# Altium PCB PCB2.PcbDoc
Units mil, origin at the board's own origin, x right, y up, seen from the top; angles counter-clockwise.
Board outline 4000 x 4000 mil, 2 copper layers (Top Layer, Bottom Layer), stack 21 mil thick; 51 components, 120 nets, 372 pads, 5 vias.
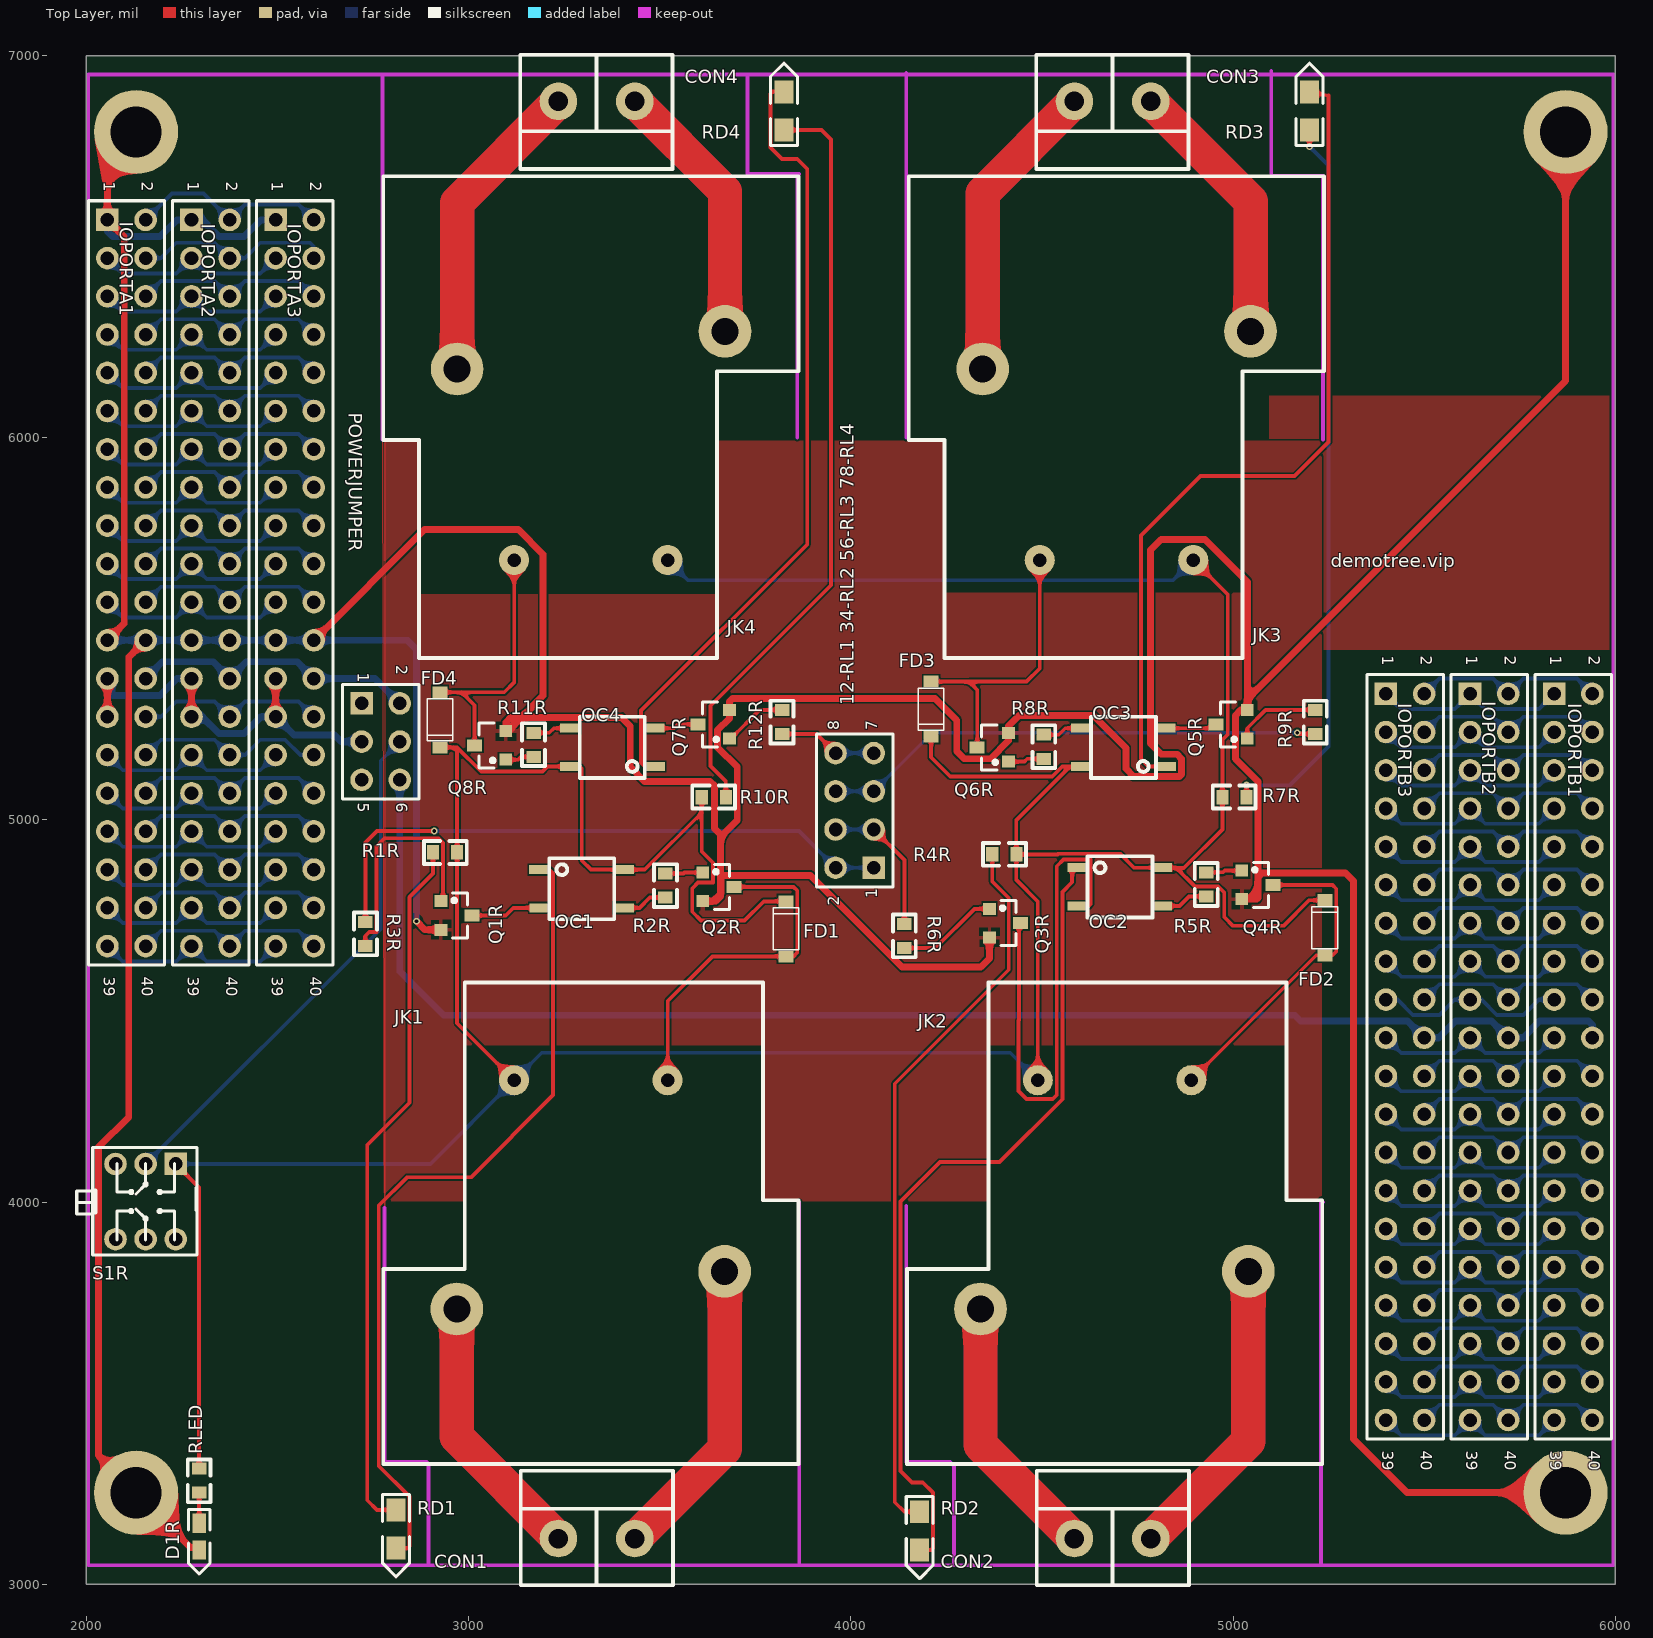
[diagram p0: Top Layer view]
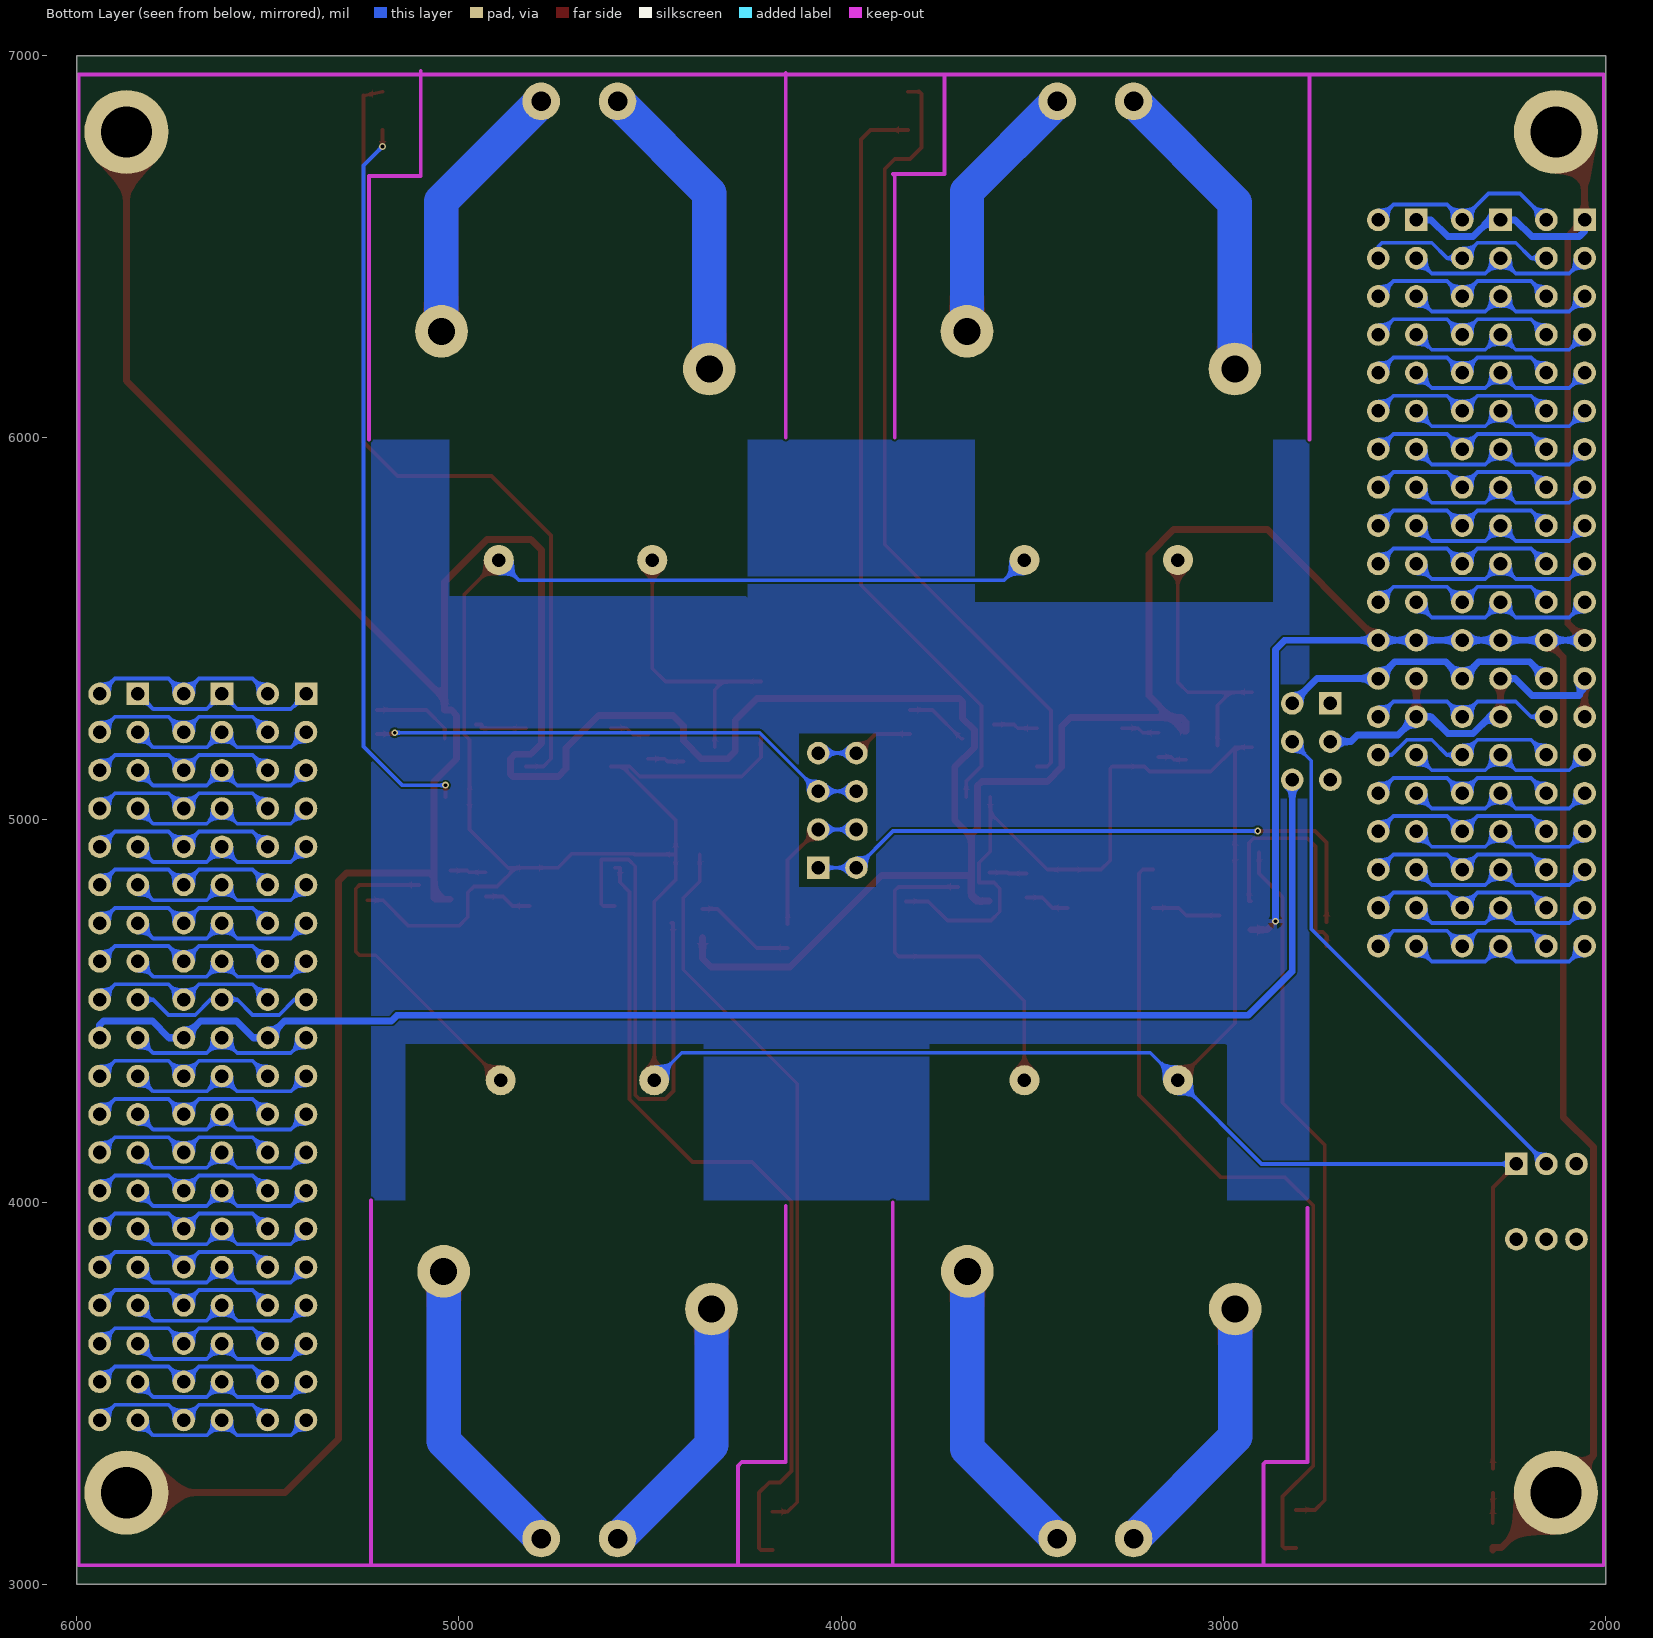
[diagram p1: Bottom Layer view, seen from below]
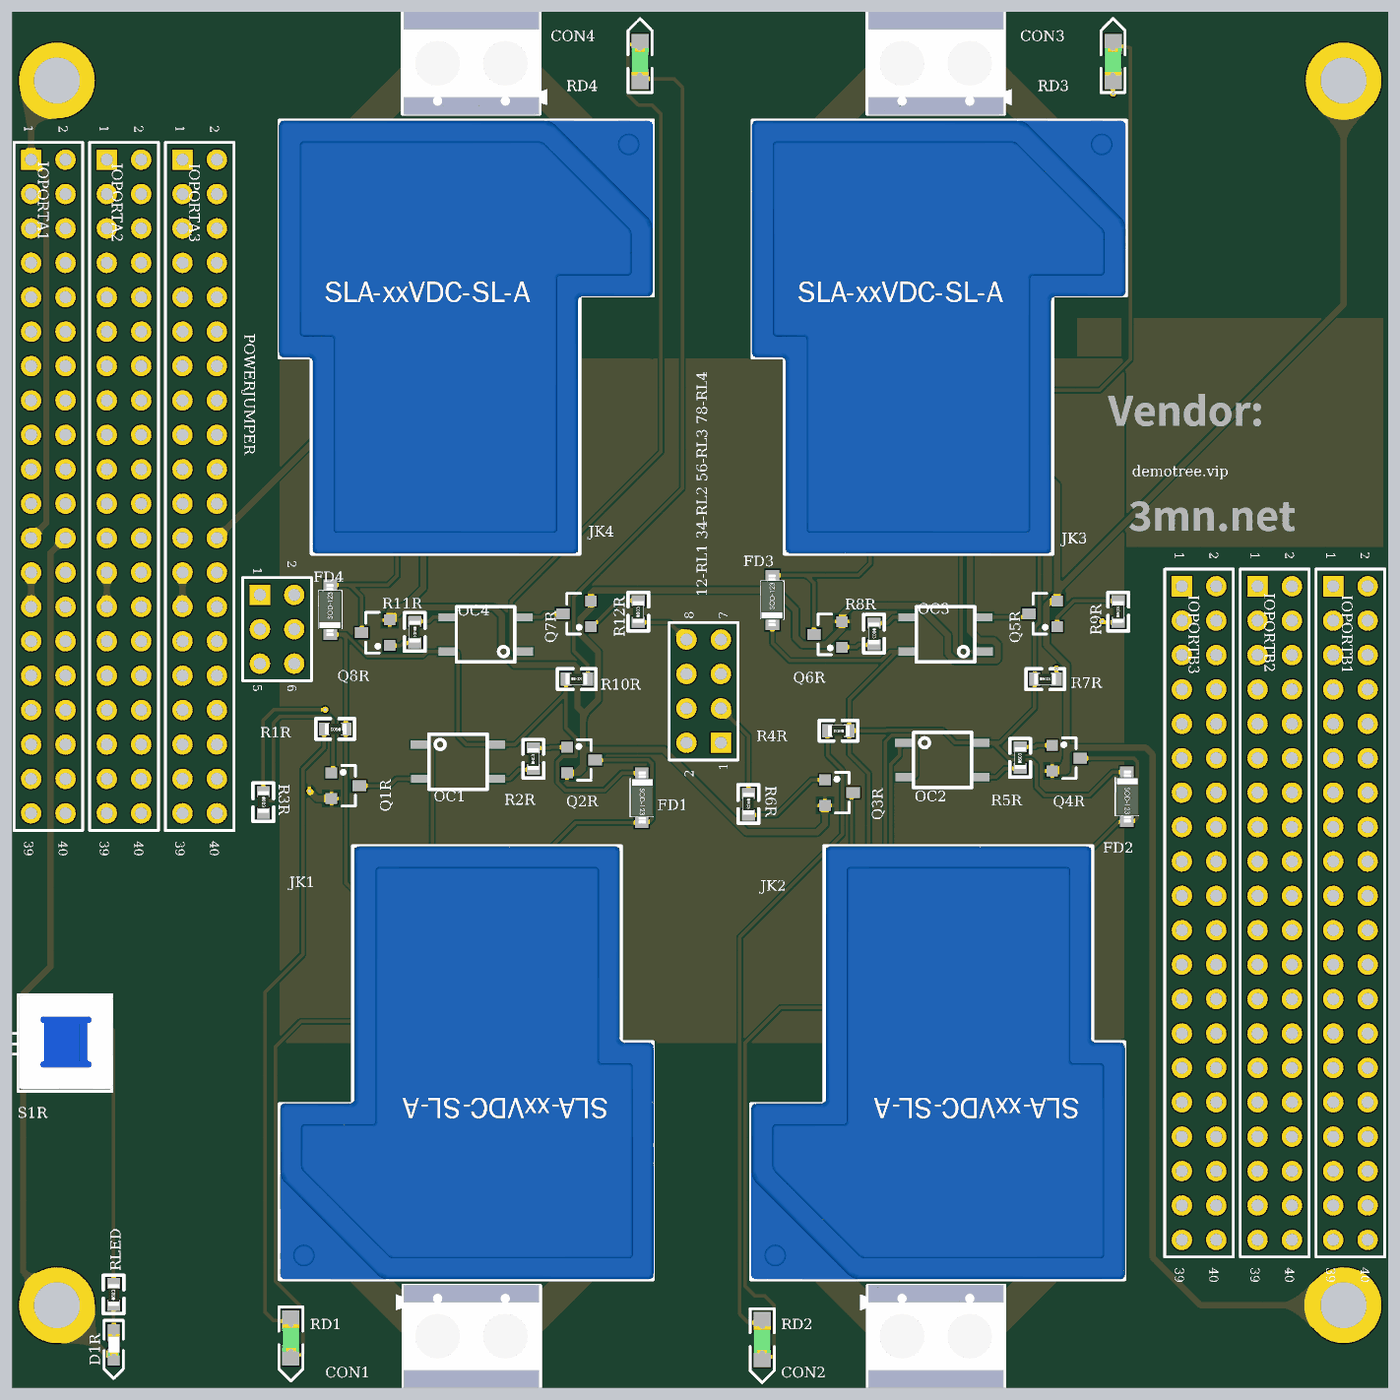
[diagram p2: 3D render of the assembled board from above, using the file's embedded part models]

## Layer stack, top to bottom
Top Solder: solder mask 0.4, Solder Resist, Dk 3.5
Top Layer: signal copper 1.4
Dielectric 2: prepreg 2.8, PP-006, Dk 4.1
Dielectric 1: dielectric 12.6, FR-4, Dk 4.8
Dielectric 3: prepreg 2.8, PP-006, Dk 4.1
Bottom Layer: signal copper 1.4
Bottom Solder: solder mask 0.4, Solder Resist, Dk 3.5

## Board outline
2000,3000 6000,3000 6000,7000 2000,7000

## Design rules (kind name [scope] priority, off if disabled: settings)
Clearance [All] p1: gap=5 ignorepadtopadclearanceinfootprint=TRUE
HoleSize [All] p1: absolutevalues=TRUE maxlimit=500 minlimit=10 maxpercent=80.000 minpercent=20.000
MinimumSolderMaskSliver [All] p1: minsoldermaskwidth=0
PolygonConnect [All] p1: connectstyle=Relief reliefconductorwidth=10 reliefentries=4 polygonreliefangle="90 Angle" airgapwidth=10
RoutingCorners [All] p1: cornerstyle=45-Degree minsetback=180 maxsetback=500
RoutingVias [All] p1: holewidth=10 width=18 viastyle="Through Hole" minholewidth=10 minwidth=18 maxholewidth=180 maxwidth=300
SMDNeckDown [All] p1: percent=100.000
ShortCircuit K1 [All] p1: allowed=FALSE
ShortCircuit [All] p2: allowed=FALSE
SilkToSilkClearance [All] p1: silktosilkclearance=0
SilkToSolderMaskClearance [IsPad] p1: minsilkscreentomaskgap=0 clearancetoexposedcopper=TRUE
SolderMaskExpansion [All] p1: expansion=4
Width CONN [(InNet('NetCON1_1') OR InNet('NetCON1_2') OR InNet('NetCON2_1') OR InNet('NetCON2_2') OR InNet('NetCON3_1') OR InNet('NetCON3_2') OR InNet('NetCON4_1') OR InNet('NetCON4_2'))] p1: maxlimit=90 minlimit=50 preferedwidth=90
Width GND [InNet('GND')] p2: maxlimit=20 minlimit=5 preferedwidth=18
Width V33 [InNet('V33')] p3: maxlimit=20 minlimit=5 preferedwidth=18
Width VUSB_2 [InNet('VUSB_2')] p4: maxlimit=20 minlimit=8 preferedwidth=18
Width VNUC5 [InNet('VNUC5')] p5: maxlimit=20 minlimit=8 preferedwidth=18
Width +5 [InNet('+5')] p6: maxlimit=20 minlimit=8 preferedwidth=18
Width [All] p7: maxlimit=20 minlimit=5 preferedwidth=10
24 further rules are at their usual default settings.

## Components (designator, comment, footprint, x,y, rotation, side; value= is the part's Value field where it differs from the comment)
"12-RL1 34-RL2 56-RL3 78-RL4" "Header 4X2" HDR2X4 4060,4875 r90 top
CON1 "RELAY" KF301-2P 3235,3120 r0 top
CON2 "RELAY" KF301-2P 4585,3120 r0 top
CON3 "RELAY" KF301-2P 4785,6880 r180 top
CON4 "RELAY" KF301-2P 3435,6880 r180 top
D1R "RED0603" LED-0603W 2295,3155 r270 top
FD1 "FR107" SOD-123 3830,4645 r90 top
FD2 "FR107" SOD-123 5240,4648 r90 top
FD3 "FR107" SOD-123 4210,5360 r270 top
FD4 "FR107" SOD-123 2925,5332 r270 top
IOPORTA1 "Header 20X2" HDR2X20 2055,6570 r270 top
IOPORTA2 "Header 20X2" HDR2X20 2275,6570 r270 top
IOPORTA3 "Header 20X2" HDR2X20 2495,6570 r270 top
IOPORTB1 "Header 20X2" HDR2X20 5840,5330 r270 top
IOPORTB2 "Header 20X2" HDR2X20 5620,5330 r270 top
IOPORTB3 "Header 20X2" HDR2X20 5400,5330 r270 top
JK1 "SLA-05VDC-SL-A" SLA-xxVDC-SL-A 3320,3945 r180 top
JK2 "SLA-05VDC-SL-A" SLA-xxVDC-SL-A 4690,3945 r180 top
JK3 "SLA-05VDC-SL-A" SLA-xxVDC-SL-A 4695,6054.02 r0 top
JK4 "SLA-05VDC-SL-A" SLA-xxVDC-SL-A 3320,6054.02 r0 top
OC1 "EL357N" SMD_EL357N 3183.99,4870 r0 top
OC2 "EL357N" SMD_EL357N 4591.99,4875 r0 top
OC3 "EL357N" SMD_EL357N 4825.01,5140 r180 top
OC4 "EL357N" SMD_EL357N 3488.01,5140 r180 top
POWERJUMPER "Header 3X2" HDR2X3 2720,5305 r270 top
Q1R "S8050" SOT23 2970,4750 r0 top
Q2R "S8050" SOT23 3655,4825 r0 top
Q3R "S8050" SOT23 4405,4730 r0 top
Q4R "S8050" SOT23 5065,4830 r0 top
Q5R "S8050" SOT23 4995,5250 r180 top
Q6R "S8050" SOT23 4370,5190 r180 top
Q7R "S8050" SOT23 3640,5250 r180 top
Q8R "S8050" SOT23 3055,5195 r180 top
R1R "100R" 0603R 2970,4915 r180 top
R2R "1k" 0603R 3515,4797.01 r90 top
R3R "1k" 0603R 2730,4732.99 r270 top
R4R "100R" 0603R 4432.99,4910 r180 top
R5R "1k" 0603R 4930,4800 r90 top
R6R "1k" 0603R 4140,4727.99 r270 top
R7R "100R" 0603R 4972.01,5060 r0 top
R8R "1k" 0603R 4505,5222.99 r270 top
R9R "1k" 0603R 5215,5225 r90 top
R10R "100R" 0603R 3610,5060 r0 top
R11R "1k" 0603R 3170,5227.99 r270 top
R12R "1k" 0603R 3820,5225 r90 top
RD1 "GREEN0805" LED-0805G 2810,3195 r270 top
RD2 "GREEN0805" LED-0805G 4180,3190 r270 top
RD3 "GREEN0805" LED-0805G 5200,6805 r90 top
RD4 "GREEN0805" LED-0805G 3825,6805 r90 top
RLED "4.7k" 0603R 2295,3240 r90 top
S1R "POWERSW" "KFT DIP-7X7" 2233.74,4100 r270 top

## Footprints (in the part's own frame and the unit in brackets; to place one, negate y for a bottom-side part, rotate by r counter-clockwise, add the part's x,y. Pads: shape width x height; smd on the part's side, far side on the other; paste and mask are expansions set on the pad)
0603R [mm]
  rect 0.8x0.965 smd: 1(0,0) 2(1.6,0)
  silkscreen extent -0.64,-0.76 2.21,0.76, body extent -0.04,-0.41 1.56,0.41, height 0.45
HDR2X3 [mm] "Connector; Header; 3x2 Position"
  rect 1.5x1.5 hole 0.9: 1(0,0)
  round 1.5 hole 0.9: 2(0,2.54) 3(2.54,0) 4(2.54,2.54) 5(5.08,0) 6(5.08,2.54)
  silkscreen extent -1.27,-1.27 6.35,3.81
HDR2X4 [mm] "Connector; Header; 4x2 Position"
  rect 1.5x1.5 hole 0.9: 1(0,0)
  round 1.5 hole 0.9: 2(0,2.54) 3(2.54,0) 4(2.54,2.54) 5(5.08,0) 6(5.08,2.54) 7(7.62,0) 8(7.62,2.54)
  silkscreen extent -1.27,-1.27 8.89,3.81
HDR2X20 [mm] "Connector; Header; 20x2 Position"
  rect 1.5x1.5 hole 0.9: 1(0,0)
  round 1.5 hole 0.9: 2(0,2.54) 3(2.54,0) 4(2.54,2.54) 5(5.08,0) 6(5.08,2.54) 7(7.62,0) 8(7.62,2.54) 9(10.16,0) 10(10.16,2.54) 11(12.7,0) 12(12.7,2.54) 13(15.24,0) 14(15.24,2.54) 15(17.78,0) 16(17.78,2.54) 17(20.32,0) 18(20.32,2.54) 19(22.86,0) 20(22.86,2.54) 21(25.4,0) 22(25.4,2.54) 23(27.94,0) 24(27.94,2.54) 25(30.48,0) 26(30.48,2.54) 27(33.02,0) 28(33.02,2.54) 29(35.56,0) 30(35.56,2.54) 31(38.1,0) 32(38.1,2.54) 33(40.64,0) 34(40.64,2.54) 35(43.18,0) 36(43.18,2.54) 37(45.72,0) 38(45.72,2.54) 39(48.26,0) 40(48.26,2.54)
  silkscreen extent -1.27,-1.27 49.53,3.81
KF301-2P [mm] "间距5.08mm"
  round 2.5 hole 1.3: 1(0,0) 2(5.08,0)
  silkscreen extent -2.5,-3.1 7.62,4.5, body extent -3.06,-3.04 7.54,4.56, height 10
"KFT DIP-7X7" [mm]
  rect 1.5x1.5 hole 0.9: 1(0,0)
  round 1.5 hole 0.9: 2(0,-2) 3(0,-4) 4(5,-4) 5(5,-2) 6(5,0)
  silkscreen extent -1.08,-6.58 6.06,1.42, body extent -1.09,-5.46 5.91,1.54, height 11.2
LED-0603W [mil]
  rect 50x35 smd: A(-5,0.26) K(65,0.26)
  silkscreen extent -41,-28 128,28, body extent -1,-15 61,17, height 24
LED-0805G [mil]
  rect 60x50 smd: A(0,0) K(100,0)
  silkscreen extent -40,-35 175,35, body extent 11,-24 89,25, height 32
SLA-xxVDC-SL-A [mm] "一组常开，长：32mm，宽：27.6mm，高：20mm"
  round 2 hole 0.9: 1(-5.1,-9.5) 2(5.1,-9.5)
  round 3.5 hole 1.8: 3(8.91,5.7) 4(-8.89,3.2)
  silkscreen extent -13.8,-16 13.8,16, body extent -13.84,-16 13.76,16, height 20.65
SMD_EL357N [mm]
  rect 1.3x0.6 smd mask+0: 1(0,0) 2(0.026,-2.54) 3(5.664,-2.54) 4(5.664,0)
  silkscreen extent 0.69,-3.3 5,0.76
SOD-123 [mm] "塑封二极管"
  rect 0.8x1 smd: A(-0.051,0) K(3.607,0)
  silkscreen extent 0.38,-0.85 3.18,0.85, body extent -0.12,-0.89 3.73,0.81, height 1.43
SOT23 [mm] "SOT23, 3-Leads, Body 2.9x1.3mm, Pitch 0.95mm, Lead Span 2.3mm - Reverse Pinning, IPC High Density"
  rect 0.85x0.8 smd: 1(-1.075,0.95) 2(-1.075,-0.95)
  rect 1x0.8 smd: 3(1,0)
  silkscreen extent -0.32,-1.5 0.7,1.5, body extent -0.7,-1.5 0.7,1.5, height 1.1

## Part data
"12-RL1 34-RL2 56-RL3 78-RL4": "Header, 4-Pin, Dual row", LatestRevisionDate=17-Jul-2002, LatestRevisionNote="Re-released for DXP Platform.", Publisher="Altium Limited"
CON1 CON2 CON3 CON4: library part Connector-2P
D1R RD1 RD2 RD3 RD4: library part LED
FD1 FD2 FD3 FD4: library part DIODE, "普通二极管"
IOPORTA1 IOPORTA2 IOPORTA3 IOPORTB1 IOPORTB2 IOPORTB3: "Header, 20-Pin, Dual row", LatestRevisionDate=17-Jul-2002, LatestRevisionNote="Re-released for DXP Platform.", Publisher="Altium Limited"
JK1 JK2 JK3 JK4: "5V常开"
OC1 OC2 OC3 OC4: "线性光耦"
POWERJUMPER: "Header, 3-Pin, Dual row", LatestRevisionDate=17-Jul-2002, LatestRevisionNote="Re-released for DXP Platform.", Publisher="Altium Limited"
Q1R Q2R Q3R Q4R Q5R Q6R Q7R Q8R: library part S9014
R1R R2R R3R R4R R5R R6R R7R R8R R9R R10R R11R R12R RLED: library part RES
S1R: library part "KFT DIP-7X7"

## Free pads (board coordinates)
  round 220 hole 134: 2(5870,3240) 3(2130,3240) 4(2130,6800) 5(5870,6800)

## Via types
v1: diameter 18, hole 10, Top Layer to Bottom Layer, 5 vias

## Nets (pads, with @x,y where several pads share a name; then routed paths per layer and width w, separated by ;. In a path a pad name is that pad's centre, name@x,y a point inside that pad or via, vN(x,y) a via of type N, cw(c..) or ccw(c..) an arc to the next point about the centre after c; other vN are vias at no path point)
+5: IOPORTA1.25 IOPORTA1.27 IOPORTA2.25 IOPORTA2.27 IOPORTA3.25 IOPORTA3.27 POWERJUMPER.3 | length 1078.8
  Top Layer w18: IOPORTA1.27 IOPORTA1.25 ; IOPORTA2.27 IOPORTA2.25 ; IOPORTA3.27 IOPORTA3.25
  Bottom Layer w18: IOPORTA1.25 2069,5326 2193,5326 2237,5370 IOPORTA2.25 ; IOPORTA2.27 2303,5270 2347,5226 2413,5226 2457,5270 IOPORTA3.27 2543,5222 2649,5222 2666,5205 POWERJUMPER.3
BOOT1: IOPORTB1.32 IOPORTB2.32 IOPORTB3.32 | length 506.3
  Bottom Layer w10: IOPORTB3.32 5540,3870 5680,3870 IOPORTB2.32 5760,3870 5900,3870 IOPORTB1.32
EXTI2C_SCL: IOPORTB1.22 IOPORTB2.22 IOPORTB3.22 | length 506.3
  Bottom Layer w10: IOPORTB3.22 5540,4370 5680,4370 IOPORTB2.22 5760,4370 5900,4370 IOPORTB1.22
EXTI2C_SDA: IOPORTB1.21 IOPORTB2.21 IOPORTB3.21 | length 506.3
  Bottom Layer w10: IOPORTB3.21 5440,4290 5580,4290 IOPORTB2.21 5660,4290 5800,4290 IOPORTB1.21
GND: D1R.K IOPORTA1.1 IOPORTA1.23 IOPORTA1.24 IOPORTA2.1 IOPORTA2.23 IOPORTA2.24 IOPORTA3.1 IOPORTA3.23 IOPORTA3.24 pad.2 pad.3 pad.4 pad.5 Q1R.2 Q2R.2 Q3R.2 Q4R.2 Q5R.2 Q6R.2 Q7R.2 Q8R.2 | length 17326.5
  Top Layer w18: IOPORTA1.23 2099,5514 2099,6526 IOPORTA1.1 2055,6800 pad.4 ; IOPORTA1.24 2111,5426 2111,4223 2032,4144 2032,3338 pad.3 2273,3097 2295.26,3097 D1R.K ; IOPORTA3.24 2885,5760 3130,5760 3195,5695 3195,5325 3138,5268 ; v1(2864,4735) 2886.4,4712.6 Q1R.2 ; Q2R.2 3640,4787.6 ; Q3R.2 4362.68,4637.68 4340,4615 4134,4615 3894,4855 3665,4855 3660,4850 3660,4807.6 3659,4806.6 ; Q4R.2 5040,4792.6 ; pad.2 5455,3240 5315,3380 5315,4840 5294,4861 5076,4861 5065,4850 ; pad.5 5870,6149 5037.32,5316.32 ; 3138,5268 3400,5268 3423,5245 3423,5138 3460,5101 3632,5101 3643,5090 3643,4978 3659,4962 3659,4956 ; 3138,5268 3110,5268 3097.32,5255.32 Q8R.2 3102.4,5232.4 3138,5268 ; 3640,4787.6 3659,4806.6 ; 3640,4787.6 3646.6,4787.6 3659,4800 3659,4806.6 ; 3659,4806.6 3659,4956 ; 3659,4956 3703,5000 3703,5138.59 3651.59,5190 3651.59,5235 3682.32,5265.73 Q7R.2 3682.32,5310.32 3690,5318 4220,5318 4277.07,5260.93 4277.07,5180 4297.07,5160 4365,5160 4412.32,5207.32 Q6R.2 4412.32,5245.32 4440,5273 4635,5273 4720,5188 4720,5134 4740,5114 4860,5114 4865,5119 4865,5160 4853,5172 4812,5172 4784,5200 4784,5706 4812,5734 4926.32,5734 5037.32,5623 5037.32,5316.32 ; 5037.32,5316.32 Q5R.2 5020,5287.4 5006,5273.4 5006,5160 5065,5101 5065,4850 ; 5040,4792.6 5062,4792.6 5065,4795.6 5065,4817.6 ; 5040,4792.6 5065,4817.6 ; 5065,4817.6 5065,4850
  Bottom Layer w18: IOPORTA1.23 IOPORTA1.24 IOPORTA2.23 IOPORTA2.24 IOPORTA3.23 IOPORTA3.24 2840,5470 2864,5446 v1(2864,4735) ; IOPORTA1.1 2055,6540 2069,6526 2193,6526 2237,6570 IOPORTA2.1 2303,6570 2347,6526 2413,6526 2457,6570 IOPORTA3.1
IO1: "12-RL1 34-RL2 56-RL3 78-RL4.1" "12-RL1 34-RL2 56-RL3 78-RL4.2" R3R.1 | length 1590.2
  Top Layer w10: R3R.1 2730,4941 2760,4971 v1(2910,4971)
  Bottom Layer w10: v1(2910,4971) 3864,4971 3960,4875 4060,4875
IO2: "12-RL1 34-RL2 56-RL3 78-RL4.3" "12-RL1 34-RL2 56-RL3 78-RL4.4" R6R.1 | length 380.1
  Top Layer w10: 4060,4975 4140,4895 R6R.1
  Bottom Layer w10: 3960,4975 4060,4975
IO3: "12-RL1 34-RL2 56-RL3 78-RL4.5" "12-RL1 34-RL2 56-RL3 78-RL4.6" R9R.1 | length 1319.6
  Top Layer w10: v1(5168,5228) 5171,5225 R9R.1
  Bottom Layer w10: 3960,5075 4060,5075 4213,5228 v1(5168,5228)
IO4: "12-RL1 34-RL2 56-RL3 78-RL4.7" "12-RL1 34-RL2 56-RL3 78-RL4.8" R12R.1 | length 260.7
  Top Layer w10: R12R.1 3910,5225 3960,5175
  Bottom Layer w10: 3960,5175 4060,5175
NetCON1_1: CON1.1 JK1.3 | length 1421.4
  Top Layer w90: JK1.3 2969.21,3385.79 CON1.1
  Bottom Layer w90: JK1.3 2969.21,3385.79 CON1.1
NetCON1_2: CON1.2 JK1.4 | length 1592.7
  Top Layer w90: CON1.2 3670,3355 JK1.4
  Bottom Layer w90: CON1.2 3670,3355 JK1.4
NetCON2_1: CON2.1 JK2.3 | length 1404.8
  Top Layer w90: JK2.3 4339.21,3365.79 CON2.1
  Bottom Layer w90: JK2.3 4339.21,3365.79 CON2.1
NetCON2_2: CON2.2 JK2.4 | length 1609.3
  Top Layer w90: CON2.2 5040,3375 JK2.4
  Bottom Layer w90: CON2.2 5040,3375 JK2.4
NetCON3_1: CON3.1 JK3.3 | length 1419.2
  Top Layer w90: CON3.1 5045.79,6619.21 JK3.3
  Bottom Layer w90: CON3.1 5045.79,6619.21 JK3.3
NetCON3_2: CON3.2 JK3.4 | length 1598.8
  Top Layer w90: JK3.4 4345,6640 CON3.2
  Bottom Layer w90: JK3.4 4345,6640 CON3.2
NetCON4_1: CON4.1 JK4.3 | length 1398.5
  Top Layer w90: CON4.1 3670.79,6644.21 JK4.3
  Bottom Layer w90: CON4.1 3670.79,6644.21 JK4.3
NetCON4_2: CON4.2 JK4.4 | length 1619.5
  Top Layer w90: JK4.4 2970,6615 CON4.2
  Bottom Layer w90: JK4.4 2970,6615 CON4.2
NetD1R_A: D1R.A RLED.1 | length 80.1
  Top Layer w10: RLED.1 2295,3199.26 2295.26,3199 D1R.A
NetFD1_A: FD1.A JK1.1 Q2R.3 | length 930.4
  Top Layer w10: JK1.1 3520.79,4525.79 3638,4643 FD1.A 3850,4643 3860,4653 3860,4815 3850,4825 Q2R.3
NetFD2_A: FD2.A JK2.1 Q4R.3 | length 852.6
  Top Layer w10: JK2.1 5217.77,4646 FD2.A 5260,4646 5270,4656 5270,4820 5260,4830 Q4R.3
NetFD3_A: FD3.A JK3.1 Q6R.3 | length 763.3
  Top Layer w10: FD3.A 4308.63,5362 ; Q6R.3 4330.63,5340 4308.63,5362 ; JK3.1 4494.21,5396.21 4460,5362 4308.63,5362
NetFD4_A: FD4.A JK4.1 Q8R.3 | length 678.1
  Top Layer w10: FD4.A 2981.63,5334 ; Q8R.3 3015.63,5300 2981.63,5334 ; JK4.1 3119.21,5360 3093.21,5334 2981.63,5334
NetOC1_1: OC1.1 RD1.K | length 2158.2
  Top Layer w10: RD1.K 2840,3095 2845,3100 2845,3230 2765,3310 2765,3991.21 2838.79,4065 3006,4065 3221,4280 3221,4860 3211,4870 OC1.1
NetOC1_2: OC1.2 Q1R.3 | length 183.9
  Top Layer w10: Q1R.3 3097,4750 3117,4770 OC1.2
NetOC1_3: OC1.3 R2R.1 | length 119.2
  Top Layer w10: OC1.3 3447,4770 3474.01,4797.01 R2R.1
NetOC2_1: OC2.1 RD2.K | length 2159.3
  Top Layer w10: RD2.K 4210,3090 4215,3095 4215,3240 4188,3267 4160,3267 4130,3297 4130,4002 4233,4105 4389.36,4105 4553.58,4269.23 4553.58,4811.58 4579,4837 4579,4875 OC2.1
NetOC2_2: OC2.2 Q3R.3 | length 1405.6
  Top Layer w10: Q3R.3 4440,4730 4440,4477 4439,4476 4439,4290.64 4460,4269.64 4528.23,4269.64 4538.58,4280 4538.58,4878.99 4556.41,4896.81 4627.59,4896.81 4627.59,4780 4622.59,4775 OC2.2
NetOC2_3: OC2.3 R5R.1 | length 125.4
  Top Layer w10: OC2.3 4860,4775 4885,4800 R5R.1
NetOC3_1: OC3.1 RD3.K | length 2207.9
  Top Layer w10: OC3.1 4779,5140 4759,5160 4759,5744 4915,5900 5161.21,5900 5250,5988.79 5250,6895 RD3.K
NetOC3_2: OC3.2 Q5R.3 | length 141.6
  Top Layer w10: OC3.2 4940.94,5240 4940.94,5250 Q5R.3
NetOC3_3: OC3.3 R8R.1 | length 104
  Top Layer w10: R8R.1 4544,5222.99 4561.01,5240 OC3.3
NetOC4_1: OC4.1 RD4.K | length 2071.6
  Top Layer w10: OC4.1 3461,5140 3451,5150 3451,5286 3886,5721 3886,6703 3860,6729 3820,6729 3790,6759 3790,6900 3795,6905 RD4.K
NetOC4_2: OC4.2 Q7R.3 | length 117.8
  Top Layer w10: OC4.2 3538,5240 3548,5250 Q7R.3
NetOC4_3: OC4.3 R11R.1 | length 100
  Top Layer w10: R11R.1 3211,5227.99 3223.01,5240 OC4.3
NetQ1R_1: Q1R.1 R3R.2 | length 629.7
  Top Layer w10: R3R.2 2730,4697 2740,4707 2759,4707 2759,4930.99 2780,4952 2921,4952 2933,4940 2933,4787.4 Q1R.1
NetQ2R_1: Q2R.1 R2R.2 | length 98.7
  Top Layer w10: R2R.2 3562,4860 3564.4,4862.4 Q2R.1
NetQ3R_1: Q3R.1 R6R.2 | length 265.1
  Top Layer w10: R6R.2 4221,4665 4323.4,4767.4 Q3R.1
NetQ4R_1: Q4R.1 R5R.2 | length 94.5
  Top Layer w10: R5R.2 4974,4862.99 4978.41,4867.4 Q4R.1
NetQ5R_1: Q5R.1 R9R.2 | length 225
  Top Layer w10: Q5R.1 5037.32,5240 5085.31,5287.99 R9R.2
NetQ6R_1: Q6R.1 R8R.2 | length 95.7
  Top Layer w10: Q6R.1 4454,5152.6 4461.4,5160 R8R.2
NetQ7R_1: Q7R.1 R12R.2 | length 168.9
  Top Layer w10: Q7R.1 3685.96,5212.6 3761.35,5287.99 R12R.2
NetQ8R_1: Q8R.1 R11R.2 | length 75.7
  Top Layer w10: Q8R.1 3129,5157.6 3136.4,5165 R11R.2
NetR1R_2: R1R.2 RD1.A | length 1851.6
  Top Layer w10: RD1.A 2760,3195 2735,3220 2735,4150 2845,4260 2845,4797.99 2907.01,4860 R1R.2
NetR4R_2: R4R.2 RD2.A | length 1911.6
  Top Layer w10: RD2.A 4140,3190 4115,3215 4115,4310 4413,4608 4413,4796 4370,4839 R4R.2
NetR7R_2: R7R.2 RD3.A | length 1921.5
  Top Layer w10: R7R.2 v1(5035,5091) ; v1(5200,6762) RD3.A
  Bottom Layer w10: v1(5035,5091) 5149,5091 5250,5192 5250,6712 v1(5200,6762)
NetR10R_2: R10R.2 RD4.A | length 2000.7
  Top Layer w10: R10R.2 3672.99,5100.63 3632.59,5141.03 3632.59,5298.72 3948,5614.13 3948,6780 3923,6805 RD4.A
NRST: IOPORTA1.34 IOPORTA2.34 IOPORTA3.34 | length 506.3
  Bottom Layer w10: IOPORTA1.34 2195,5010 2335,5010 IOPORTA2.34 2415,5010 2555,5010 IOPORTA3.34
PA1: IOPORTA1.40 IOPORTA2.40 IOPORTA3.40 | length 506.3
  Bottom Layer w10: IOPORTA1.40 2195,4710 2335,4710 IOPORTA2.40 2415,4710 2555,4710 IOPORTA3.40
PA4: IOPORTB1.39 IOPORTB2.39 IOPORTB3.39 | length 506.3
  Bottom Layer w10: IOPORTB3.39 5440,3390 5580,3390 IOPORTB2.39 5660,3390 5800,3390 IOPORTB1.39
PA5: IOPORTB1.40 IOPORTB2.40 IOPORTB3.40 | length 506.3
  Bottom Layer w10: IOPORTB3.40 5540,3470 5680,3470 IOPORTB2.40 5760,3470 5900,3470 IOPORTB1.40
PA6: IOPORTB1.37 IOPORTB2.37 IOPORTB3.37 | length 506.3
  Bottom Layer w10: IOPORTB3.37 5440,3490 5580,3490 IOPORTB2.37 5660,3490 5800,3490 IOPORTB1.37
PA7: IOPORTB1.38 IOPORTB2.38 IOPORTB3.38 | length 506.3
  Bottom Layer w10: IOPORTB3.38 5540,3570 5680,3570 IOPORTB2.38 5760,3570 5900,3570 IOPORTB1.38
PA8: IOPORTB1.3 IOPORTB2.3 IOPORTB3.3 | length 506.3
  Bottom Layer w10: IOPORTB3.3 5440,5190 5580,5190 IOPORTB2.3 5660,5190 5800,5190 IOPORTB1.3
PA11: IOPORTB1.2 IOPORTB2.2 IOPORTB3.2 | length 506.3
  Bottom Layer w10: IOPORTB3.2 5540,5370 5680,5370 IOPORTB2.2 5760,5370 5900,5370 IOPORTB1.2
PA12: IOPORTB1.1 IOPORTB2.1 IOPORTB3.1 | length 506.3
  Bottom Layer w10: IOPORTB3.1 5440,5290 5580,5290 IOPORTB2.1 5660,5290 5800,5290 IOPORTB1.1
PA15: IOPORTA1.2 IOPORTA2.2 IOPORTA3.2 | length 530.3
  Bottom Layer w10: IOPORTA1.2 2224,6639 2306,6639 IOPORTA2.2 2415,6610 2555,6610 IOPORTA3.2
PB0: IOPORTB1.34 IOPORTB2.34 IOPORTB3.34 | length 506.3
  Bottom Layer w10: IOPORTB3.34 5540,3770 5680,3770 IOPORTB2.34 5760,3770 5900,3770 IOPORTB1.34
PB1: IOPORTB1.33 IOPORTB2.33 IOPORTB3.33 | length 506.3
  Bottom Layer w10: IOPORTB3.33 5440,3690 5580,3690 IOPORTB2.33 5660,3690 5800,3690 IOPORTB1.33
PB3: IOPORTA1.14 IOPORTA2.14 IOPORTA3.14 | length 506.3
  Bottom Layer w10: IOPORTA1.14 2195,6010 2335,6010 IOPORTA2.14 2415,6010 2555,6010 IOPORTA3.14
PB4: IOPORTA1.15 IOPORTA2.15 IOPORTA3.15 | length 506.3
  Bottom Layer w10: IOPORTA1.15 2095,5830 2235,5830 IOPORTA2.15 2315,5830 2455,5830 IOPORTA3.15
PB5: IOPORTA1.16 IOPORTA2.16 IOPORTA3.16 | length 506.3
  Bottom Layer w10: IOPORTA1.16 2195,5910 2335,5910 IOPORTA2.16 2415,5910 2555,5910 IOPORTA3.16
PB6: IOPORTA1.17 IOPORTA2.17 IOPORTA3.17 | length 506.3
  Bottom Layer w10: IOPORTA1.17 2095,5730 2235,5730 IOPORTA2.17 2315,5730 2455,5730 IOPORTA3.17
PB7: IOPORTA1.18 IOPORTA2.18 IOPORTA3.18 | length 506.3
  Bottom Layer w10: IOPORTA1.18 2195,5810 2335,5810 IOPORTA2.18 2415,5810 2555,5810 IOPORTA3.18
PB8: IOPORTA1.19 IOPORTA2.19 IOPORTA3.19 | length 506.3
  Bottom Layer w10: IOPORTA1.19 2095,5630 2235,5630 IOPORTA2.19 2315,5630 2455,5630 IOPORTA3.19
PB9: IOPORTA1.20 IOPORTA2.20 IOPORTA3.20 | length 506.3
  Bottom Layer w10: IOPORTA1.20 2195,5710 2335,5710 IOPORTA2.20 2415,5710 2555,5710 IOPORTA3.20
PB12: IOPORTB1.19 IOPORTB2.19 IOPORTB3.19 | length 506.3
  Bottom Layer w10: IOPORTB3.19 5440,4390 5580,4390 IOPORTB2.19 5660,4390 5800,4390 IOPORTB1.19
PB13: IOPORTB1.18 IOPORTB2.18 IOPORTB3.18 | length 506.3
  Bottom Layer w10: IOPORTB3.18 5540,4570 5680,4570 IOPORTB2.18 5760,4570 5900,4570 IOPORTB1.18
PB14: IOPORTB1.17 IOPORTB2.17 IOPORTB3.17 | length 506.3
  Bottom Layer w10: IOPORTB3.17 5430,4530 5470,4490 5540,4490 5580,4530 IOPORTB2.17 5650,4530 5690,4490 5760,4490 5800,4530 IOPORTB1.17
PB15: IOPORTB1.16 IOPORTB2.16 IOPORTB3.16 | length 506.3
  Bottom Layer w10: IOPORTB3.16 5540,4670 5680,4670 IOPORTB2.16 5760,4670 5900,4670 IOPORTB1.16
PC0: IOPORTA1.35 IOPORTA2.35 IOPORTA3.35 | length 506.3
  Bottom Layer w10: IOPORTA1.35 2095,4830 2235,4830 IOPORTA2.35 2315,4830 2455,4830 IOPORTA3.35
PC1: IOPORTA1.36 IOPORTA2.36 IOPORTA3.36 | length 506.3
  Bottom Layer w10: IOPORTA1.36 2195,4910 2335,4910 IOPORTA2.36 2415,4910 2555,4910 IOPORTA3.36
PC2: IOPORTA1.37 IOPORTA2.37 IOPORTA3.37 | length 506.3
  Bottom Layer w10: IOPORTA1.37 2095,4730 2235,4730 IOPORTA2.37 2315,4730 2455,4730 IOPORTA3.37
PC3: IOPORTA1.38 IOPORTA2.38 IOPORTA3.38 | length 506.3
  Bottom Layer w10: IOPORTA1.38 2195,4810 2335,4810 IOPORTA2.38 2415,4810 2555,4810 IOPORTA3.38
PC4: IOPORTB1.36 IOPORTB2.36 IOPORTB3.36 | length 506.3
  Bottom Layer w10: IOPORTB3.36 5540,3670 5680,3670 IOPORTB2.36 5760,3670 5900,3670 IOPORTB1.36
PC5: IOPORTB1.35 IOPORTB2.35 IOPORTB3.35 | length 506.3
  Bottom Layer w10: IOPORTB3.35 5440,3590 5580,3590 IOPORTB2.35 5660,3590 5800,3590 IOPORTB1.35
PC6: IOPORTB1.7 IOPORTB2.7 IOPORTB3.7 | length 506.3
  Bottom Layer w10: IOPORTB3.7 5440,4990 5580,4990 IOPORTB2.7 5660,4990 5800,4990 IOPORTB1.7
PC7: IOPORTB1.6 IOPORTB2.6 IOPORTB3.6 | length 506.3
  Bottom Layer w10: IOPORTB3.6 5540,5170 5680,5170 IOPORTB2.6 5760,5170 5900,5170 IOPORTB1.6
PC8: IOPORTB1.5 IOPORTB2.5 IOPORTB3.5 | length 506.3
  Bottom Layer w10: IOPORTB3.5 5440,5090 5580,5090 IOPORTB2.5 5660,5090 5800,5090 IOPORTB1.5
PC9: IOPORTB1.4 IOPORTB2.4 IOPORTB3.4 | length 506.3
  Bottom Layer w10: IOPORTB3.4 5540,5270 5680,5270 IOPORTB2.4 5760,5270 5900,5270 IOPORTB1.4
PC10: IOPORTA1.3 IOPORTA2.3 IOPORTA3.3 | length 506.3
  Bottom Layer w10: IOPORTA1.3 2095,6430 2235,6430 IOPORTA2.3 2315,6430 2455,6430 IOPORTA3.3
PC11: IOPORTA1.4 IOPORTA2.4 IOPORTA3.4 | length 523.8
  Bottom Layer w10: IOPORTA1.4 2195,6470 2235,6510 2335,6510 IOPORTA2.4 2415,6470 2455,6510 2585,6510 2595,6500 IOPORTA3.4
PC12: IOPORTA1.5 IOPORTA2.5 IOPORTA3.5 | length 506.3
  Bottom Layer w10: IOPORTA1.5 2095,6330 2235,6330 IOPORTA2.5 2315,6330 2455,6330 IOPORTA3.5
PC13: IOPORTA1.33 IOPORTA2.33 IOPORTA3.33 | length 506.3
  Bottom Layer w10: IOPORTA1.33 2095,4930 2235,4930 IOPORTA2.33 2315,4930 2455,4930 IOPORTA3.33
PD0: IOPORTA1.6 IOPORTA2.6 IOPORTA3.6 | length 506.3
  Bottom Layer w10: IOPORTA1.6 2195,6410 2335,6410 IOPORTA2.6 2415,6410 2555,6410 IOPORTA3.6
PD1: IOPORTA1.7 IOPORTA2.7 IOPORTA3.7 | length 506.3
  Bottom Layer w10: IOPORTA1.7 2095,6230 2235,6230 IOPORTA2.7 2315,6230 2455,6230 IOPORTA3.7
PD3: IOPORTA1.9 IOPORTA2.9 IOPORTA3.9 | length 506.3
  Bottom Layer w10: IOPORTA1.9 2095,6130 2235,6130 IOPORTA2.9 2315,6130 2455,6130 IOPORTA3.9
PD4: IOPORTA1.10 IOPORTA2.10 IOPORTA3.10 | length 506.3
  Bottom Layer w10: IOPORTA1.10 2195,6210 2335,6210 IOPORTA2.10 2415,6210 2555,6210 IOPORTA3.10
PD5: IOPORTA1.11 IOPORTA2.11 IOPORTA3.11 | length 506.3
  Bottom Layer w10: IOPORTA1.11 2095,6030 2235,6030 IOPORTA2.11 2315,6030 2455,6030 IOPORTA3.11
PD6: IOPORTA1.12 IOPORTA2.12 IOPORTA3.12 | length 506.3
  Bottom Layer w10: IOPORTA1.12 2195,6110 2335,6110 IOPORTA2.12 2415,6110 2555,6110 IOPORTA3.12
PD7: IOPORTA1.13 IOPORTA2.13 IOPORTA3.13 | length 506.3
  Bottom Layer w10: IOPORTA1.13 2095,5930 2235,5930 IOPORTA2.13 2315,5930 2455,5930 IOPORTA3.13
PD10: IOPORTB1.13 IOPORTB2.13 IOPORTB3.13 | length 506.3
  Bottom Layer w10: IOPORTB3.13 5440,4690 5580,4690 IOPORTB2.13 5660,4690 5800,4690 IOPORTB1.13
PD11: IOPORTB1.12 IOPORTB2.12 IOPORTB3.12 | length 506.3
  Bottom Layer w10: IOPORTB3.12 5540,4870 5680,4870 IOPORTB2.12 5760,4870 5900,4870 IOPORTB1.12
PD12: IOPORTB1.11 IOPORTB2.11 IOPORTB3.11 | length 506.3
  Bottom Layer w10: IOPORTB3.11 5440,4790 5580,4790 IOPORTB2.11 5660,4790 5800,4790 IOPORTB1.11
PD13: IOPORTB1.10 IOPORTB2.10 IOPORTB3.10 | length 506.3
  Bottom Layer w10: IOPORTB3.10 5540,4970 5680,4970 IOPORTB2.10 5760,4970 5900,4970 IOPORTB1.10
PD14: IOPORTB1.9 IOPORTB2.9 IOPORTB3.9 | length 506.3
  Bottom Layer w10: IOPORTB3.9 5440,4890 5580,4890 IOPORTB2.9 5660,4890 5800,4890 IOPORTB1.9
PD15: IOPORTB1.8 IOPORTB2.8 IOPORTB3.8 | length 506.3
  Bottom Layer w10: IOPORTB3.8 5540,5070 5680,5070 IOPORTB2.8 5760,5070 5900,5070 IOPORTB1.8
PE1: IOPORTA1.22 IOPORTA2.22 IOPORTA3.22 | length 506.3
  Bottom Layer w10: IOPORTA1.22 2195,5610 2335,5610 IOPORTA2.22 2415,5610 2555,5610 IOPORTA3.22
PE2: IOPORTA1.28 IOPORTA2.28 IOPORTA3.28 | length 506.3
  Bottom Layer w10: IOPORTA1.28 2195,5270 2235,5310 2335,5310 IOPORTA2.28 2415,5310 2555,5310 IOPORTA3.28
PE3: IOPORTA1.29 IOPORTA2.29 IOPORTA3.29 | length 506.3
  Bottom Layer w10: IOPORTA1.29 2095,5130 2235,5130 IOPORTA2.29 2315,5130 2455,5130 IOPORTA3.29
PE4: IOPORTA1.30 IOPORTA2.30 IOPORTA3.30 | length 506.3
  Bottom Layer w10: IOPORTA1.30 2195,5210 2335,5210 IOPORTA2.30 2415,5170 2455,5210 2520,5210 2560,5170 IOPORTA3.30
PE5: IOPORTA1.31 IOPORTA2.31 IOPORTA3.31 | length 506.3
  Bottom Layer w10: IOPORTA1.31 2095,5030 2235,5030 IOPORTA2.31 2315,5030 2455,5030 IOPORTA3.31
PE6: IOPORTA1.32 IOPORTA2.32 IOPORTA3.32 | length 506.3
  Bottom Layer w10: IOPORTA1.32 2195,5110 2335,5110 IOPORTA2.32 2415,5110 2555,5110 IOPORTA3.32
PE8: IOPORTB1.30 IOPORTB2.30 IOPORTB3.30 | length 506.3
  Bottom Layer w10: IOPORTB3.30 5540,3970 5680,3970 IOPORTB2.30 5760,3970 5900,3970 IOPORTB1.30
PE9: IOPORTB1.29 IOPORTB2.29 IOPORTB3.29 | length 506.3
  Bottom Layer w10: IOPORTB3.29 5440,3890 5580,3890 IOPORTB2.29 5660,3890 5800,3890 IOPORTB1.29
PE10: IOPORTB1.28 IOPORTB2.28 IOPORTB3.28 | length 506.3
  Bottom Layer w10: IOPORTB3.28 5540,4070 5680,4070 IOPORTB2.28 5760,4070 5900,4070 IOPORTB1.28
PE11: IOPORTB1.27 IOPORTB2.27 IOPORTB3.27 | length 506.3
  Bottom Layer w10: IOPORTB3.27 5440,3990 5580,3990 IOPORTB2.27 5660,3990 5800,3990 IOPORTB1.27
PE12: IOPORTB1.26 IOPORTB2.26 IOPORTB3.26 | length 506.3
  Bottom Layer w10: IOPORTB3.26 5540,4170 5680,4170 IOPORTB2.26 5760,4170 5900,4170 IOPORTB1.26
PE13: IOPORTB1.25 IOPORTB2.25 IOPORTB3.25 | length 506.3
  Bottom Layer w10: IOPORTB3.25 5440,4090 5580,4090 IOPORTB2.25 5660,4090 5800,4090 IOPORTB1.25
PE14: IOPORTB1.24 IOPORTB2.24 IOPORTB3.24 | length 506.3
  Bottom Layer w10: IOPORTB3.24 5540,4270 5680,4270 IOPORTB2.24 5760,4270 5900,4270 IOPORTB1.24
PE15: IOPORTB1.23 IOPORTB2.23 IOPORTB3.23 | length 506.3
  Bottom Layer w10: IOPORTB3.23 5440,4190 5580,4190 IOPORTB2.23 5660,4190 5800,4190 IOPORTB1.23
TIM1_ETR: IOPORTB1.31 IOPORTB2.31 IOPORTB3.31 | length 506.3
  Bottom Layer w10: IOPORTB3.31 5440,3790 5580,3790 IOPORTB2.31 5660,3790 5800,3790 IOPORTB1.31
TIM2_ETR: IOPORTA1.39 IOPORTA2.39 IOPORTA3.39 | length 506.3
  Bottom Layer w10: IOPORTA1.39 2095,4630 2235,4630 IOPORTA2.39 2315,4630 2455,4630 IOPORTA3.39
TIM3_ETR: IOPORTA1.8 IOPORTA2.8 IOPORTA3.8 | length 506.3
  Bottom Layer w10: IOPORTA1.8 2195,6310 2335,6310 IOPORTA2.8 2415,6310 2555,6310 IOPORTA3.8
TIM4_ETR: IOPORTA1.21 IOPORTA2.21 IOPORTA3.21 | length 506.3
  Bottom Layer w10: IOPORTA1.21 2095,5530 2235,5530 IOPORTA2.21 2315,5530 2455,5530 IOPORTA3.21
UART3_RX: IOPORTB1.14 IOPORTB2.14 IOPORTB3.14 | length 506.3
  Bottom Layer w10: IOPORTB3.14 5540,4770 5680,4770 IOPORTB2.14 5760,4770 5900,4770 IOPORTB1.14
UART3_TX: IOPORTB1.15 IOPORTB2.15 IOPORTB3.15 | length 506.3
  Bottom Layer w10: IOPORTB3.15 5440,4590 5580,4590 IOPORTB2.15 5660,4590 5800,4590 IOPORTB1.15
VNUC5: IOPORTA1.26 IOPORTA2.26 IOPORTA3.26 POWERJUMPER.2 | length 764.8
  Bottom Layer w18: IOPORTA1.26 2199,5414 2331,5414 IOPORTA2.26 2419,5414 2551,5414 IOPORTA3.26 2755,5370 POWERJUMPER.2
VRL: FD1.K FD2.K FD3.K FD4.K JK1.2 JK2.2 JK3.2 JK4.2 OC1.4 OC2.4 OC3.4 OC4.4 R1R.1 R4R.1 R7R.1 R10R.1 RLED.2 S1R.1 | length 10489.8
  Top Layer w10: S1R.1 2295,4038.74 RLED.2 ; FD4.K 2960,5190 ; JK1.2 2970,4468.23 R1R.1 2970,5180 2960,5190 ; R10R.1 3610,5019 ; FD1.K 3772,4787 3722,4737 3608,4737 3585,4760 3585,4821 3600,4836 3639.41,4836 3639.41,4888.15 3610,4917.56 3610,5019 ; FD3.K 4210,5164 4260,5114 4527,5114 4553,5140 4573,5140 ; JK2.2 4489.21,4786.78 4432.99,4843 R4R.1 ; OC3.4 4573,5140 ; JK3.2 4986,5589.79 4986,5223.99 4972.01,5210 R7R.1 4972.01,4975.01 4872,4875 4851,4875 ; FD2.K 5199,4790 5132,4723 5000,4723 4977,4746 4977,4810 4961,4826 4900,4826 4851,4875 ; 2960,5190 2970,5190 3033,5127 3193,5127 3206,5140 OC4.4 3291,5140 3296,5135 3296,4894 3320,4870 OC1.4 3461,4870 3610,5019 ; R4R.1 4432.99,4999.99 4573,5140 ; R4R.1 4541.41,4910 4543.22,4911.81 4704,4911.81 4740.81,4875 OC2.4 4851,4875
  Bottom Layer w10: S1R.1 2900.2,4100 JK1.2 3191.2,4391 4417.23,4391 JK2.2 ; JK4.2 3573.79,5627 4842.79,5627 JK3.2
VRLIN: POWERJUMPER.4 S1R.2 | length 1380.5
  Bottom Layer w10: S1R.2 2770,4715 2770,5155 POWERJUMPER.4
VUSB_2: IOPORTB1.20 IOPORTB2.20 IOPORTB3.20 POWERJUMPER.6 | length 3785.9
  Bottom Layer w18: POWERJUMPER.6 2820,4604 2935,4489 5162,4489 5177,4474 5456,4474 IOPORTB3.20 5538,4430 5582,4474 5676,4474 IOPORTB2.20 5758,4430 5802,4474 5930,4474 5940,4464 IOPORTB1.20
pads on no net: POWERJUMPER.1 POWERJUMPER.5 S1R.3 S1R.4 S1R.5 S1R.6

## Polygon pours and split planes (outlines as drawn)
no net on Top Layer "Top Layer-No Net" (solid, pour order 26): 5095,6110 5095,5445 5990,5445 5990,6110
GND on Top Layer "Top Layer-GND" (solid, pour order 22): 2777.5,5992.5 2777.5,4017.5 2792.5,4002.5 5232.5,4002.5 5232.5,5992.5
GND on Top Layer "Top Layer-GND 1" (solid, pour order 20): 2775,5995 2780,5990 2780,3825
GND on Bottom Layer "Bottom Layer-GND" (solid, pour order 24): 2775,5995 2775,4010 2780,4005 5230,4005 5230,5990 5235,5995

## Keep-outs
Top Layer:
  lines w10: 5230,4005 5235,4000
Keep-Out Layer:
  lines w10: 2775,5995 2775,6950 ; 2780,3985 2780,3320 2890,3320 2895,3315 2895,3050 ; 3730,6945 3730,6690 3865,6690 3860,6685 3860,6000 ; 3865,3055 3865,4000 ; 4145,3990 4145,3320 4260,3320 4270,3310 4270,3055 ; 4145,6000 4145,6955 ; 5100,6960 5100,6685 5235,6685 5235,5995 ; 5230,3055 5230,4005 ; 2005,3050 2005,6950 5995,6950 5995,3050 2005,3050

## Other copper
Top Layer:
  pour cut-out: 4360,4005 4360,4405 4365,4410 5145,4410 5145,4010 5140,4005
  pour cut-out: 2990,4005 2990,4410 3770,4410 3770,4005
  pour cut-out: 4245,5995 4245,5600 4250,5595 5025,5595 5025,5995
  pour cut-out: 2870,5995 2870,5595 2875,5590 3650,5590 3650,5995
  pour cut-out: 3910,5225 3910,4825 4110,4825 4110,5225
  pour cut-out: 2775,5355 2870,5355 2870,5055 2775,5055
Bottom Layer:
  pour cut-out: 4360,4005 4360,4415 5140,4415 5140,4005
  pour cut-out: 2990,4005 2990,4410 2995,4415 3770,4415 3770,4005
  pour cut-out: 4245,5995 4245,5580 4250,5585 5025,5585 5025,5995
  pour cut-out: 2870,5995 2870,5570 3650,5570 3650,5995
  pour cut-out: 3910,5225 3910,4825 4110,4825 4110,5225
  pour cut-out: 2775,5355 2875,5355 2865,5345 2865,5055 2775,5055

## Silkscreen, mask and mechanical layers (free items; w line width, h text height)
Top Overlay:
  text "demotree.vip" at 5255,5650 h60
Top Paste:
  drawing of 1497 lines, arcs and shapes, not listed
Top Solder:
  drawing of 1497 lines, arcs and shapes, not listed

## Text inside footprints (layer, text, board x,y; h text height)
"12-RL1 34-RL2 56-RL3 78-RL4": Top Overlay "2" at 3980,4775 h50 r90; Top Overlay "1" at 4080,4795 h50 r90; Top Overlay "7" at 4080,5235 h50 r90; Top Overlay "8" at 3980,5235 h50 r90
IOPORTA1: Top Overlay "1" at 2035,6670 h50 r270; Top Overlay "2" at 2135,6670 h50 r270; Top Overlay "40" at 2135,4590 h50 r270; Top Overlay "39" at 2035,4590 h50 r270
IOPORTA2: Top Overlay "1" at 2255,6670 h50 r270; Top Overlay "2" at 2355,6670 h50 r270; Top Overlay "40" at 2355,4590 h50 r270; Top Overlay "39" at 2255,4590 h50 r270
IOPORTA3: Top Overlay "1" at 2475,6670 h50 r270; Top Overlay "2" at 2575,6670 h50 r270; Top Overlay "40" at 2575,4590 h50 r270; Top Overlay "39" at 2475,4590 h50 r270
IOPORTB1: Top Overlay "1" at 5820,5430 h50 r270; Top Overlay "2" at 5920,5430 h50 r270; Top Overlay "40" at 5920,3350 h50 r270; Top Overlay "39" at 5820,3350 h50 r270
IOPORTB2: Top Overlay "1" at 5600,5430 h50 r270; Top Overlay "2" at 5700,5430 h50 r270; Top Overlay "40" at 5700,3350 h50 r270; Top Overlay "39" at 5600,3350 h50 r270
IOPORTB3: Top Overlay "1" at 5380,5430 h50 r270; Top Overlay "2" at 5480,5430 h50 r270; Top Overlay "40" at 5480,3350 h50 r270; Top Overlay "39" at 5380,3350 h50 r270
POWERJUMPER: Top Overlay "6" at 2800,5045 h50 r270; Top Overlay "5" at 2700,5045 h50 r270; Top Overlay "2" at 2800,5405 h50 r270; Top Overlay "1" at 2700,5385 h50 r270